# Altium PCB UZ_D_Encoder.PcbDoc (part 1 of 5) (continued)
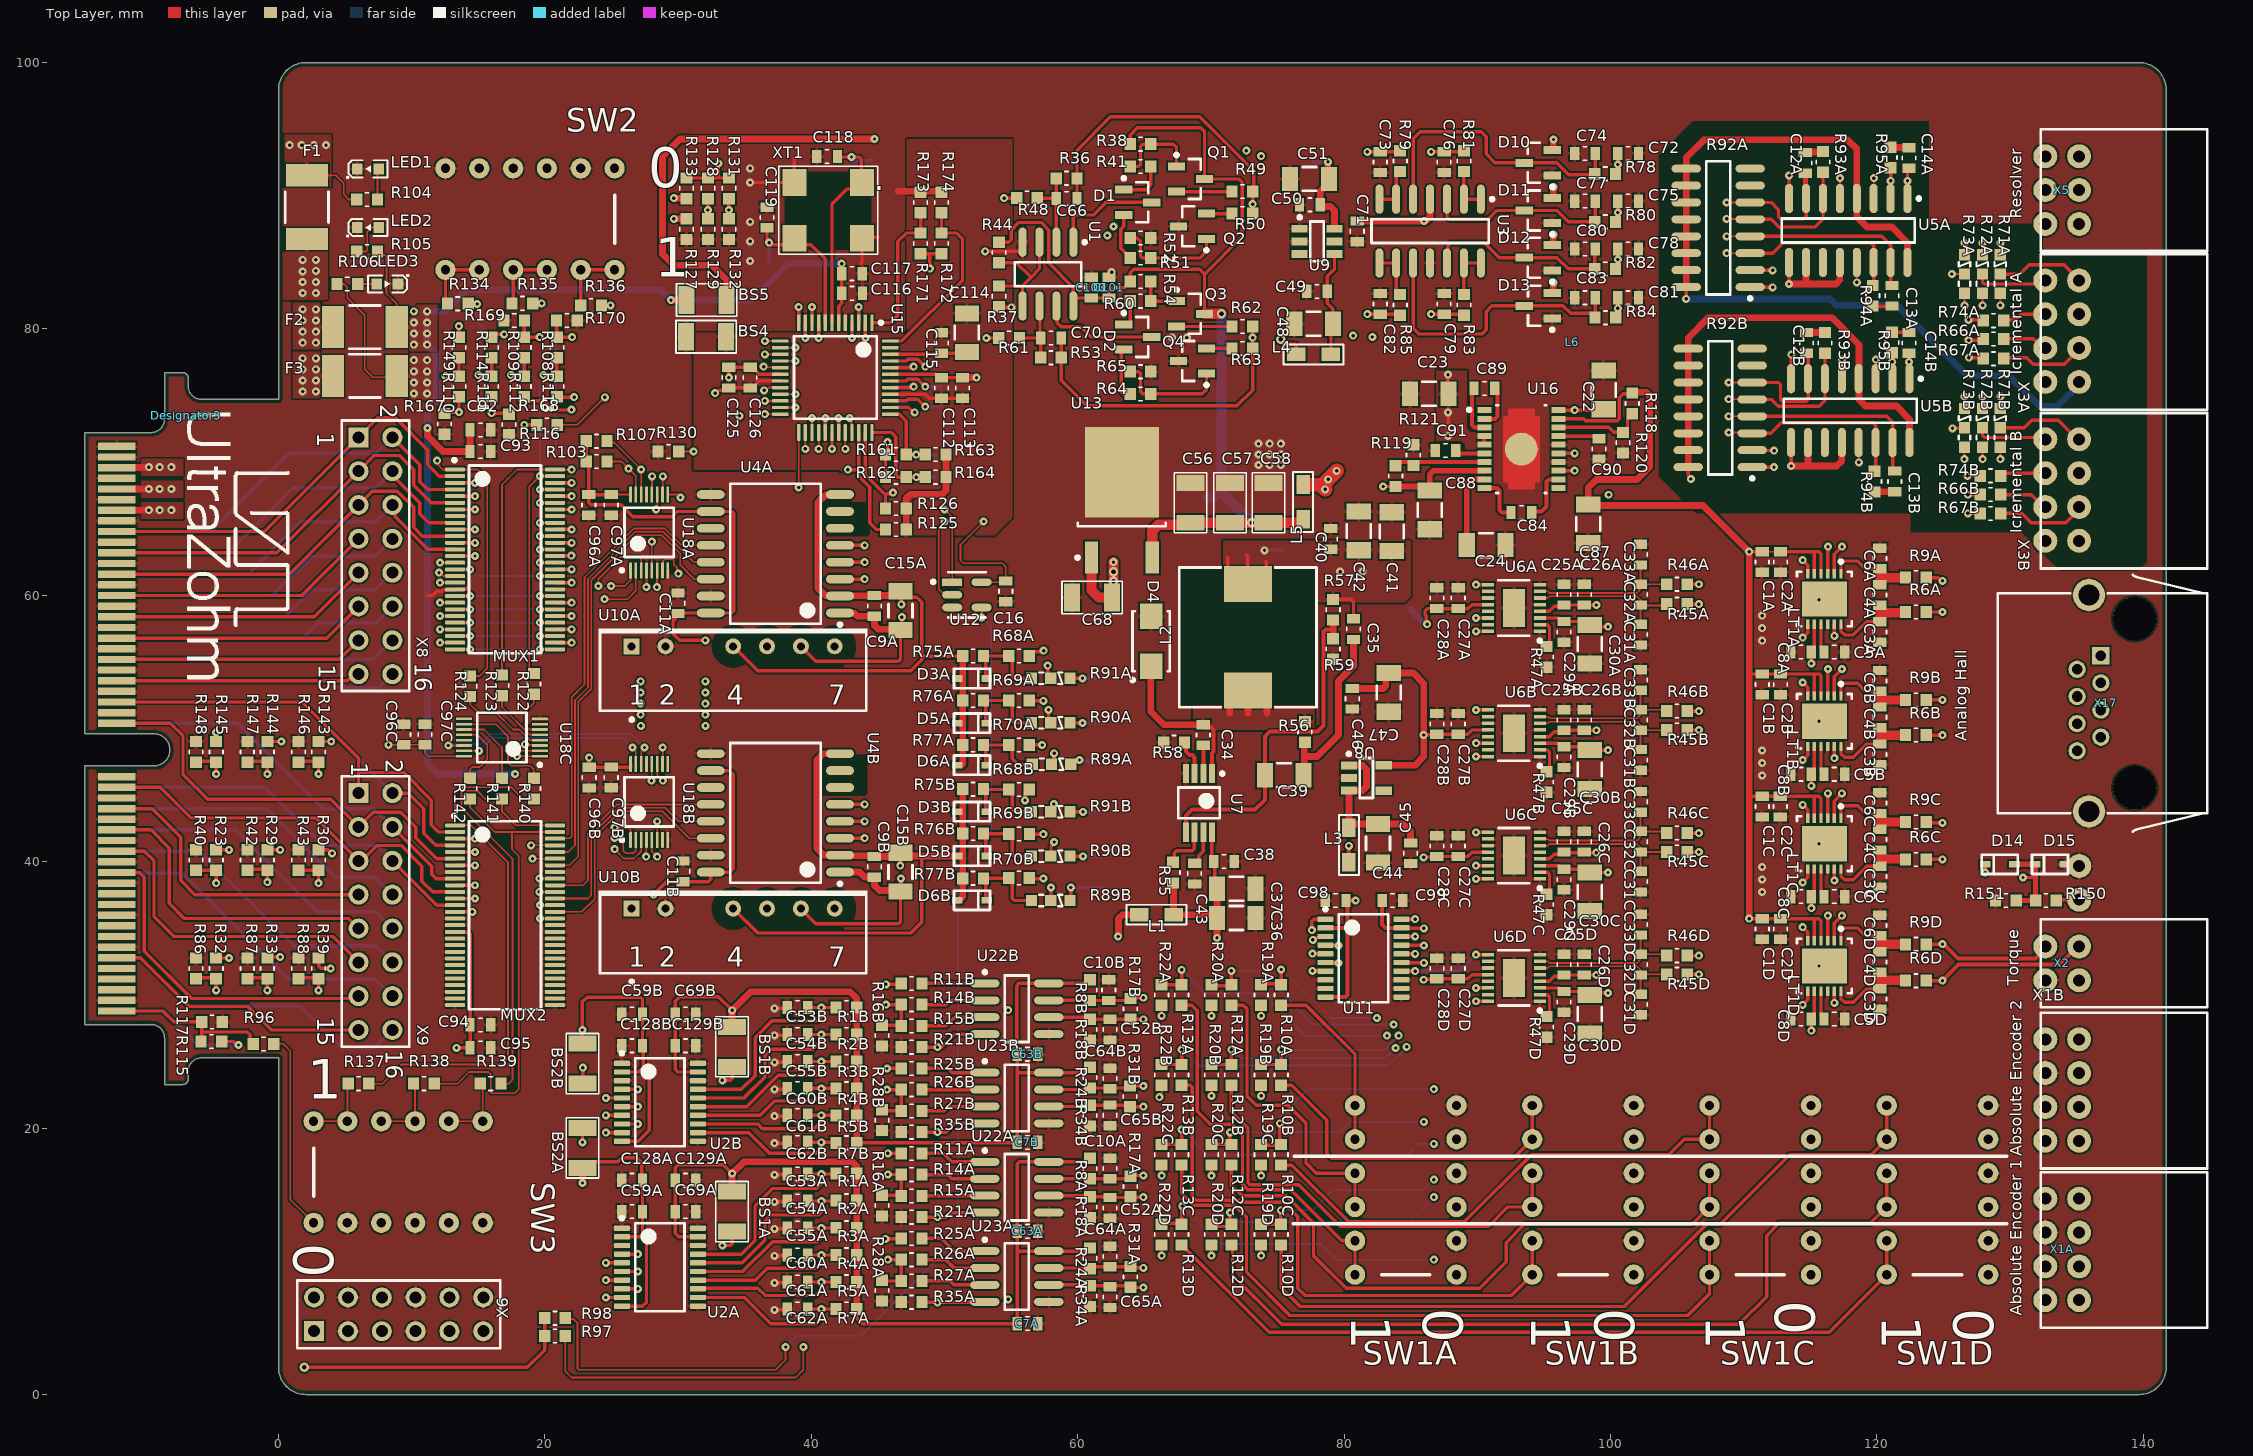
[diagram p0: Top Layer view]
## Classes and differential pairs (continued)
differential pair ADC1_IN1: +ADC_IN_PFA -ADC_IN_NFA

## Components (designator, comment, footprint, x,y, rotation, side; value= is the part's Value field where it differs from the comment)
BS1A "HI1206T500R-10" RES_1206 34.048,15.232 r180 top (schematic designator BS1)
BS1B "HI1206T500R-10" RES_1206 34.048,27.607 r180 top (schematic designator BS1)
BS2A "HI1206T500R-10" RES_1206 22.817,17.013 r0 top (schematic designator BS2)
BS2B "HI1206T500R-10" RES_1206 22.809,26.339 r180 top (schematic designator BS2)
BS4 "HI1206T500R-10" RES_1206 33.596,79.417 r90 top
BS5 "HI1206T500R-10" RES_1206 33.638,82.168 r90 top
C1A "1uF" CAPC1608X07N 111.387,62.509 r270 top (schematic designator C1)
C1B "1uF" CAPC1608X07N 111.387,53.323 r270 top (schematic designator C1)
C1C "1uF" CAPC1608X07N 111.387,44.137 r270 top (schematic designator C1)
C1D "1uF" CAPC1608X07N 111.387,34.951 r270 top (schematic designator C1)
C2A "100nF" CAPC1608X07N 112.76,62.509 r270 top (schematic designator C2)
C2B "100nF" CAPC1608X07N 112.76,53.323 r270 top (schematic designator C2)
C2C "100nF" CAPC1608X07N 112.743,44.137 r270 top (schematic designator C2)
C2D "100nF" CAPC1608X07N 112.76,34.951 r270 top (schematic designator C2)
C3A "680pF" CAPC1608X07N 120.215,57.253 r90 top (schematic designator C3)
C3B "680pF" CAPC1608X07N 120.215,48.067 r90 top (schematic designator C3)
C3C "680pF" CAPC1608X07N 120.215,38.881 r90 top (schematic designator C3)
C3D "680pF" CAPC1608X07N 120.215,29.695 r90 top (schematic designator C3)
C4A "470pF" CAPC1608X07N 120.215,60.033 r90 top (schematic designator C4)
C4B "470pF" CAPC1608X07N 120.215,50.846 r90 top (schematic designator C4)
C4C "470pF" CAPC1608X07N 120.215,41.66 r90 top (schematic designator C4)
C4D "470pF" CAPC1608X07N 120.215,32.474 r90 top (schematic designator C4)
C5A "180pF" CAPC1608X07N 116.8,55.753 r0 top (schematic designator C5)
C5B "180pF" CAPC1608X07N 116.8,46.567 r0 top (schematic designator C5)
C5C "180pF" CAPC1608X07N 116.8,37.381 r0 top (schematic designator C5)
C5D "180pF" CAPC1608X07N 116.8,28.195 r0 top (schematic designator C5)
C6A "680pF" CAPC1608X07N 120.215,62.772 r90 top (schematic designator C6)
C6B "680pF" CAPC1608X07N 120.215,53.586 r90 top (schematic designator C6)
C6C "680pF" CAPC1608X07N 120.215,44.4 r90 top (schematic designator C6)
C6D "680pF" CAPC1608X07N 120.215,35.214 r90 top (schematic designator C6)
C7A "100nF" CAPC1608X07N 56.224,5.324 r0 top (schematic designator C7)
C7B "100nF" CAPC1608X07N 56.224,18.93 r0 top (schematic designator C7)
C8A "100nF" CAPC1608X07N 114.3,55.753 r180 top (schematic designator C8)
C8B "100nF" CAPC1608X07N 114.3,46.567 r180 top (schematic designator C8)
C8C "100nF" CAPC1608X07N 114.3,37.381 r180 top (schematic designator C8)
C8D "100nF" CAPC1608X07N 114.3,28.195 r180 top (schematic designator C8)
C9A "100nF" CAPC1608X07N 44.733,59.21 r270 top (schematic designator C9)
C9B "100nF" CAPC1608X07N 44.733,39.622 r270 top (schematic designator C9)
C10A "1nF" CAPC1608X07N 62.424,16.972 r90 top (schematic designator C10)
C10B "1nF" CAPC1608X07N 62.33,30.359 r90 top (schematic designator C10)
C11A "100nF" CAPC1608X07N 29.987,59.407 r270 top (schematic designator C11)
C11B "100nF" CAPC1608X07N 30.363,39.285 r270 top (schematic designator C11)
C12A "10nF" CAPC1608X07N 114.611,92.474 r270 top (schematic designator C12)
C12B "10nF" CAPC1608X07N 114.713,78.956 r270 top (schematic designator C12)
C13A "10nF" CAPC1608X07N 121.137,82.494 r90 top (schematic designator C13)
C13B "10nF" CAPC1608X07N 121.342,68.558 r90 top (schematic designator C13)
C14A "10nF" CAPC1608X07N 122.407,92.833 r270 top (schematic designator C14)
C14B "10nF" CAPC1608X07N 122.407,78.956 r270 top (schematic designator C14)
C15A "10uF" C_1206 46.693,58.856 r90 top (schematic designator C15)
C15B "10uF" C_1206 46.693,39.225 r90 top (schematic designator C15)
C16 "100nF" CAPC1608X07N 54.597,60.306 r90 top
C22 "10uF" C_1206 99.484,75.42 r90 top
C23 "10uF" C_1206 86.384,75.129 r180 top
C24 "10uF" C_1206 90.659,63.772 r0 top
C25A "100nF" CAPC1608X07N 96.51,60.054 r90 top (schematic designator C25)
C25B "100nF" CAPC1608X07N 96.51,50.648 r90 top (schematic designator C25)
C25C "100nF" CAPC1608X07N 96.51,41.503 r90 top (schematic designator C25)
C25D "100nF" CAPC1608X07N 96.51,32.276 r90 top (schematic designator C25)
C26A "1uF" CAPC1608X07N 98.04,60.054 r270 top (schematic designator C26)
C26B "1uF" CAPC1608X07N 98.04,50.648 r270 top (schematic designator C26)
C26C "1uF" CAPC1608X07N 98.04,41.503 r270 top (schematic designator C26)
C26D "1uF" CAPC1608X07N 98.04,32.276 r270 top (schematic designator C26)
C27A "100nF" CAPC1608X07N 88.56,59.794 r90 top (schematic designator C27)
C27B "100nF" CAPC1608X07N 88.56,50.356 r90 top (schematic designator C27)
C27C "100nF" CAPC1608X07N 88.56,41.17 r90 top (schematic designator C27)
C27D "100nF" CAPC1608X07N 88.56,31.984 r90 top (schematic designator C27)
C28A "1uF" CAPC1608X07N 86.965,59.794 r270 top (schematic designator C28)
C28B "1uF" CAPC1608X07N 86.965,50.356 r270 top (schematic designator C28)
C28C "1uF" CAPC1608X07N 86.965,41.17 r270 top (schematic designator C28)
C28D "1uF" CAPC1608X07N 86.965,31.984 r270 top (schematic designator C28)
C29A "100nF" CAPC1608X07N 96.51,57.262 r270 top (schematic designator C29)
C29B "100nF" CAPC1608X07N 96.51,47.856 r270 top (schematic designator C29)
C29C "100nF" CAPC1608X07N 96.51,38.67 r270 top (schematic designator C29)
C29D "100nF" CAPC1608X07N 96.51,29.484 r270 top (schematic designator C29)
C30A "10uF" C_1206 98.45,56.332 r270 top (schematic designator C30)
C30B "10uF" C_1206 98.45,46.926 r270 top (schematic designator C30)
C30C "10uF" C_1206 98.45,37.74 r270 top (schematic designator C30)
C30D "10uF" C_1206 98.45,28.554 r270 top (schematic designator C30)
C31A "680pF" CAPC1608X07N 102.25,57.054 r90 top (schematic designator C31)
C31B "680pF" CAPC1608X07N 102.25,47.648 r90 top (schematic designator C31)
C31C "680pF" CAPC1608X07N 102.25,38.503 r90 top (schematic designator C31)
C31D "680pF" CAPC1608X07N 102.25,29.276 r90 top (schematic designator C31)
C32A "470pF" CAPC1608X07N 102.25,60.054 r90 top (schematic designator C32)
C32B "470pF" CAPC1608X07N 102.25,50.648 r90 top (schematic designator C32)
C32C "470pF" CAPC1608X07N 102.25,41.503 r90 top (schematic designator C32)
C32D "470pF" CAPC1608X07N 102.25,32.276 r90 top (schematic designator C32)
C33A "680pF" CAPC1608X07N 102.25,63.054 r90 top (schematic designator C33)
C33B "680pF" CAPC1608X07N 102.25,53.648 r90 top (schematic designator C33)
C33C "680pF" CAPC1608X07N 102.25,44.503 r90 top (schematic designator C33)
C33D "680pF" CAPC1608X07N 102.25,35.276 r90 top (schematic designator C33)
C34 "10nF" CAPC1608X07N 69.425,49.512 r90 top
C35 "7.5nF" CAPC1608X07N 80.7,57.461 r270 top
C36 "10uF" C_1206 71.905,35.78 r0 top
C37 "10uF" C_1206 71.905,37.98 r0 top
C38 "100nF" CAPC1608X07N 70.975,40.012 r0 top
C39 "0.027uF" C_1206 75.5,46.495 r180 top
C40 "100nF" CAPC1608X07N 78.985,64.24 r270 top
C41 "47uF" C_1206 83.575,64.79 r90 top
C42 "47uF" C_1206 81.1,64.84 r90 top
C43 "1uF" CAPC1608X07N 68.775,39.105 r90 top
C44 "10uF" C_1206 82.542,41.384 r270 top
C45 "100nF" CAPC1608X07N 84.992,40.637 r270 top
C46 "100nF" CAPC1608X07N 80.617,52.237 r270 top
C47 "47uF" C_1206 83.342,52.712 r270 top
C48 "10uF" C_1206 77.708,80.385 r180 top
C49 "100nF" CAPC1608X07N 77.965,82.825 r180 top
C50 "100nF" CAPC1608X07N 77.425,89.326 r180 top
C51 "47uF" C_1206 77.4,91.268 r180 top
C52A "1nF" CAPC1608X07N 62.424,14.01 r270 top (schematic designator C52)
C52B "1nF" CAPC1608X07N 62.424,27.395 r270 top (schematic designator C52)
C53A "1nF" CAPC1608X07N 38.956,16.552 r180 top (schematic designator C53)
C53B "1nF" CAPC1608X07N 38.956,29.057 r180 top (schematic designator C53)
C54A "1nF" CAPC1608X07N 38.956,14.526 r180 top (schematic designator C54)
C54B "1nF" CAPC1608X07N 38.956,27.031 r180 top (schematic designator C54)
C55A "1nF" CAPC1608X07N 38.956,12.501 r180 top (schematic designator C55)
C55B "1nF" CAPC1608X07N 38.956,25.006 r180 top (schematic designator C55)
C56 "1uF" RES_1206 68.472,65.453 r0 top
C57 "1uF" RES_1206 71.422,65.453 r0 top
C58 "1uF" RES_1206 74.316,65.453 r0 top
C59A "100nF" CAPC1608X07N 26.548,13.732 r180 top (schematic designator C59)
C59B "100nF" CAPC1608X07N 26.548,28.557 r180 top (schematic designator C59)
C60A "1nF" CAPC1608X07N 38.956,10.475 r180 top (schematic designator C60)
C60B "1nF" CAPC1608X07N 38.956,22.981 r180 top (schematic designator C60)
C61A "1nF" CAPC1608X07N 38.956,8.45 r180 top (schematic designator C61)
C61B "1nF" CAPC1608X07N 38.956,20.955 r180 top (schematic designator C61)
C62A "1nF" CAPC1608X07N 38.956,6.425 r180 top (schematic designator C62)
C62B "1nF" CAPC1608X07N 38.956,18.93 r180 top (schematic designator C62)
C63A "100nF" CAPC1608X07N 56.224,12.25 r0 top (schematic designator C63)
C63B "100nF" CAPC1608X07N 56.224,25.542 r0 top (schematic designator C63)
C64A "1nF" CAPC1608X07N 62.424,10.355 r90 top (schematic designator C64)
C64B "1nF" CAPC1608X07N 62.424,23.731 r90 top (schematic designator C64)
C65A "1nF" CAPC1608X07N 62.424,7.307 r270 top (schematic designator C65)
C65B "1nF" CAPC1608X07N 62.424,20.965 r270 top (schematic designator C65)
C66 "120pF" CAPC1608X07N 59.163,89.803 r0 top
C68 "1uF" RES_1206 62.584,59.83 r90 top
C69A "100nF" CAPC1608X07N 30.548,13.732 r0 top (schematic designator C69)
C69B "100nF" CAPC1608X07N 30.548,28.557 r0 top (schematic designator C69)
C70 "120pF" CAPC1608X07N 57.985,79.324 r0 top
C71 "100nF" CAPC1608X07N 80.977,87.336 r270 top
C72 "100pF" CAPC1608X07N 101.32,93.174 r0 top
C73 "1nF" CAPC1608X07N 82.709,92.527 r270 top
C74 "1nF" CAPC1608X07N 98.08,93.174 r180 top
C75 "100pF" CAPC1608X07N 101.32,89.6 r0 top
C76 "1nF" CAPC1608X07N 87.506,92.527 r270 top
C77 "1nF" CAPC1608X07N 98.08,89.6 r180 top
C78 "100pF" CAPC1608X07N 101.327,86.011 r0 top
C79 "1nF" CAPC1608X07N 87.506,81.885 r90 top
C80 "1nF" CAPC1608X07N 98.087,86.011 r180 top
C81 "100pF" CAPC1608X07N 101.327,82.35 r0 top
C82 "1nF" CAPC1608X07N 82.709,81.885 r90 top
C83 "1nF" CAPC1608X07N 98.087,82.35 r180 top
C84 "1uF" CAPC1608X07N 93.307,66.225 r180 top
C87 "10uF" C_1206 98.324,65.372 r270 top
C88 "10uF" C_1206 86.423,66.411 r270 top
C89 "1uF" CAPC1608X07N 90.532,75.539 r0 top
C90 "100nF" CAPC1608X07N 99.134,70.994 r270 top
C91 "100nF" CAPC1608X07N 87.608,70.875 r180 top
C92 "100nF" CAPC1608X07N 15.15,72.425 r0 top
C93 "100nF" CAPC1608X07N 15.15,70.8 r0 top
C94 "100nF" CAPC1608X07N 15.15,27.75 r0 top
C95 "100nF" CAPC1608X07N 15.15,26.025 r0 top
C96A "100nF" CAPC1608X07N 23.287,66.792 r270 top (schematic designator C96)
C96B "100nF" CAPC1608X07N 23.317,46.315 r270 top (schematic designator C96)
C96C "100nF" CAPC1608X07N 9.387,49.551 r90 top (schematic designator C96)
C97A "100nF" CAPC1608X07N 24.967,66.792 r270 top (schematic designator C97)
C97B "100nF" CAPC1608X07N 24.967,46.34 r270 top (schematic designator C97)
C97C "100nF" CAPC1608X07N 10.987,49.551 r90 top (schematic designator C97)
C98 "100nF" CAPC1608X07N 79.36,37.091 r180 top
C99 "100nF" CAPC1608X07N 83.629,37.091 r0 top
C100 "100nF" CAPC1608X07N 61.025,83.106 r90 top
C101 "100nF" CAPC1608X07N 62.35,83.106 r90 top
C112 "10nF" CAPC1608X07N 49.775,75.575 r270 top
C113 "4.7uF" CAPC1608X07N 51.351,75.575 r270 top
C114 "10uF" C_1206 51.675,79.725 r270 top
C115 "10nF" CAPC1608X07N 49.775,78.95 r90 top
C116 "4.7uF" CAPC1608X07N 43.065,82.676 r180 top
C117 "10nF" CAPC1608X07N 43.05,84.154 r180 top
C118 "20pF" CAPC1608X07N 41.188,92.952 r180 top
C119 "20pF" CAPC1608X07N 36.667,88.375 r90 top
C125 "10nF" CAPC1608X07N 33.808,76.35 r90 top
C126 "4.7uF" CAPC1608X07N 35.4,76.35 r90 top
C128A "100nF" CAPC1608X07N 26.548,16.082 r180 top (schematic designator C128)
C128B "100nF" CAPC1608X07N 26.548,26.182 r180 top (schematic designator C128)
C129A "100nF" CAPC1608X07N 30.548,16.082 r0 top (schematic designator C129)
C129B "100nF" CAPC1608X07N 30.548,26.182 r0 top (schematic designator C129)
D1 "BAV99,235" SOT-23 64.581,89.503 r0 top
D2 "BAV99,235" SOT-23 64.581,79.39 r0 top
D3A "CDSOD323-T03C" SOD-323 52.057,53.757 r180 top (schematic designator D3)
D3B "CDSOD323-T03C" SOD-323 52.057,43.766 r180 top (schematic designator D3)
D4 "BYS12-90" DIOM4227X23N 65.535,56.52 r90 top
D5A "CDSOD323-T03C" SOD-323 52.057,50.404 r180 top (schematic designator D5)
D5B "CDSOD323-T03C" SOD-323 52.057,40.429 r180 top (schematic designator D5)
D6A "CDSOD323-T03C" SOD-323 52.057,47.249 r180 top (schematic designator D6)
D6B "CDSOD323-T03C" SOD-323 52.057,37.1 r180 top (schematic designator D6)
D10 "SBAS70-04LT1G" SOT-23 94.5,92.484 r180 top
D11 "SBAS70-04LT1G" SOT-23 94.5,88.91 r180 top
D12 "SBAS70-04LT1G" SOT-23 94.5,85.361 r180 top
D13 "SBAS70-04LT1G" SOT-23 94.507,81.75 r180 top
D14 "CDSOD323-T03C" SOD-323 129.23,39.804 r0 top
D15 "CDSOD323-T03C" SOD-323 133.002,39.804 r0 top
Designator3 "Comment" UZ_Logo_tiny -6.934,73.503 r270 top
F1 "PTC, 1.1A, 24V" 1812_PTC_Polyfuse_Littelfuse 2.125,89.146 r90 top
F2 "PTC, 1.1A, 24V" 1812_PTC_Polyfuse_Littelfuse 6.475,80.148 r0 top
F3 "PTC, 1.1A, 24V" 1812_PTC_Polyfuse_Littelfuse 6.475,76.477 r0 top
L1 "600Ω" "WE-CBF_0805_High Current" 65.921,36.021 r0 top
L2 "150mH" SMT_inductor_1050_Performance 72.775,56.845 r180 top
L3 "600Ω" "WE-CBF_0805_High Current" 80.357,41.252 r90 top
L4 "600Ω" "WE-CBF_0805_High Current" 77.708,78.093 r0 top
L5 "600Ω" "WE-CBF_0805_High Current" 76.923,67.022 r90 top
L6 "label" revisioninfo 97.137,79.009 r180 top
LED1 "150060BS75000" WL-SMCW_0603 6.706,92.015 r0 top
LED2 "150060RS75000" WL-SMCW_0603 6.706,87.617 r0 top
LED3 "150060GS75000" WL-SMCW_0603 8.168,83.38 r180 top
LT1A "LTC6373IDFM#PBF" FP-LTC6373IDFM#PBF-MFG 116.05,59.733 r270 top (schematic designator LT1)
LT1B "LTC6373IDFM#PBF" FP-LTC6373IDFM#PBF-MFG 116.05,50.546 r270 top (schematic designator LT1)
LT1C "LTC6373IDFM#PBF" FP-LTC6373IDFM#PBF-MFG 116.05,41.36 r270 top (schematic designator LT1)
LT1D "LTC6373IDFM#PBF" FP-LTC6373IDFM#PBF-MFG 116.05,32.174 r270 top (schematic designator LT1)
MUX1 "SN74CBT16214CDGG" TSSOP50P810X120-56N 17,62.7 r0 top
MUX2 "SN74CBT16214CDGG" TSSOP50P810X120-56N 17,35.985 r0 top
Q1 "BC846BLT3G" SOT-23 68.538,91.253 r0 top
Q2 "BC856B,215" SOT-23 68.543,87.723 r180 top
Q3 "BC846BLT3G" SOT-23 68.538,81.13 r0 top
Q4 "BC856B,215" SOT-23 68.543,77.603 r180 top
R1A "1k" RESC1608X06N 42.626,16.582 r0 top (schematic designator R1)
R1B "1k" RESC1608X06N 42.626,29.054 r0 top (schematic designator R1)
R2A "1k" RESC1608X06N 42.626,14.551 r0 top (schematic designator R2)
R2B "1k" RESC1608X06N 42.626,27.023 r0 top (schematic designator R2)
R3A "1k" RESC1608X06N 42.626,12.52 r0 top (schematic designator R3)
R3B "1k" RESC1608X06N 42.626,24.992 r0 top (schematic designator R3)
R4A "1k" RESC1608X06N 42.626,10.489 r0 top (schematic designator R4)
R4B "1k" RESC1608X06N 42.626,22.961 r0 top (schematic designator R4)
R5A "1k" RESC1608X06N 42.626,8.458 r0 top (schematic designator R5)
R5B "1k" RESC1608X06N 42.626,20.931 r0 top (schematic designator R5)
R6A "24R9" RESC1608X06N 122.928,58.753 r180 top (schematic designator R6)
R6B "24R9" RESC1608X06N 122.928,49.507 r180 top (schematic designator R6)
R6C "24R9" RESC1608X06N 122.928,40.177 r180 top (schematic designator R6)
R6D "24R9" RESC1608X06N 122.928,31.067 r180 top (schematic designator R6)
R7A "1k" RESC1608X06N 42.626,6.428 r0 top (schematic designator R7)
R7B "1k" RESC1608X06N 42.626,18.9 r0 top (schematic designator R7)
R8A "1k" RESC1608X06N 60.924,16.966 r90 top (schematic designator R8)
R8B "1k" RESC1608X06N 60.924,30.359 r90 top (schematic designator R8)
R9A "24R9" RESC1608X06N 122.928,61.332 r180 top (schematic designator R9)
R9B "24R9" RESC1608X06N 122.928,52.152 r180 top (schematic designator R9)
R9C "24R9" RESC1608X06N 122.928,42.987 r180 top (schematic designator R9)
R9D "24R9" RESC1608X06N 122.928,33.8 r180 top (schematic designator R9)
R10A "10k" RESC1608X06N 75.274,30 r90 top (schematic designator R10)
R10B "10k" RESC1608X06N 75.274,24 r90 top (schematic designator R10)
R10C "10k" RESC1608X06N 75.274,18 r90 top (schematic designator R10)
R10D "10k" RESC1608X06N 75.274,12 r90 top (schematic designator R10)
R11A "0R" RESC1608X06N 47.525,18.102 r0 top (schematic designator R11)
R11B "0R" RESC1608X06N 47.525,30.867 r0 top (schematic designator R11)
R12A "10k" RESC1608X06N 71.537,30 r90 top (schematic designator R12)
R12B "10k" RESC1608X06N 71.537,24 r90 top (schematic designator R12)
R12C "10k" RESC1608X06N 71.537,18 r90 top (schematic designator R12)
R12D "10k" RESC1608X06N 71.537,12 r90 top (schematic designator R12)
R13A "10k" RESC1608X06N 67.8,30 r90 top (schematic designator R13)
R13B "10k" RESC1608X06N 67.8,24 r90 top (schematic designator R13)
R13C "10k" RESC1608X06N 67.8,18 r90 top (schematic designator R13)
R13D "10k" RESC1608X06N 67.8,12 r90 top (schematic designator R13)
R14A "0R" RESC1608X06N 47.525,16.506 r0 top (schematic designator R14)
R14B "0R" RESC1608X06N 47.525,29.271 r0 top (schematic designator R14)
R15A "0R" RESC1608X06N 47.525,14.91 r0 top (schematic designator R15)
R15B "0R" RESC1608X06N 47.525,27.675 r0 top (schematic designator R15)
R16A "10k" RESC1608X06N 45.313,14.18 r90 top (schematic designator R16)
R16B "10k" RESC1608X06N 45.313,26.945 r90 top (schematic designator R16)
R17A "120" RESC1608X06N 63.949,15.612 r270 top (schematic designator R17)
R17B "120" RESC1608X06N 63.949,28.958 r270 top (schematic designator R17)
R18A "1k" RESC1608X06N 60.924,14.062 r90 top (schematic designator R18)
R18B "1k" RESC1608X06N 60.924,27.395 r90 top (schematic designator R18)
R19A "DNP" RESC1608X06N 73.774,30 r90 top (schematic designator R19)
R19B "DNP" RESC1608X06N 73.774,24 r90 top (schematic designator R19)
R19C "DNP" RESC1608X06N 73.774,18 r90 top (schematic designator R19)
R19D "DNP" RESC1608X06N 73.774,12 r90 top (schematic designator R19)
R20A "DNP" RESC1608X06N 70.037,30 r90 top (schematic designator R20)
R20B "DNP" RESC1608X06N 70.037,24 r90 top (schematic designator R20)
R20C "DNP" RESC1608X06N 70.037,18 r90 top (schematic designator R20)
R20D "DNP" RESC1608X06N 70.037,12 r90 top (schematic designator R20)
R21A "10k" RESC1608X06N 47.525,13.315 r0 top (schematic designator R21)
R21B "10k" RESC1608X06N 47.525,26.08 r0 top (schematic designator R21)
R22A "DNP" RESC1608X06N 66.3,30 r90 top (schematic designator R22)
R22B "DNP" RESC1608X06N 66.3,24 r90 top (schematic designator R22)
R22C "DNP" RESC1608X06N 66.3,18 r90 top (schematic designator R22)
R22D "DNP" RESC1608X06N 66.3,12 r90 top (schematic designator R22)
R23 "DNP" RESC1608X06N -4.688,40.125 r90 top
R24A "1k" RESC1608X06N 60.924,10.228 r90 top (schematic designator R24)
R24B "1k" RESC1608X06N 60.924,23.785 r90 top (schematic designator R24)
R25A "0R" RESC1608X06N 47.525,11.719 r0 top (schematic designator R25)
R25B "0R" RESC1608X06N 47.525,24.484 r0 top (schematic designator R25)
R26A "0R" RESC1608X06N 47.525,10.123 r0 top (schematic designator R26)
R26B "0R" RESC1608X06N 47.525,22.889 r0 top (schematic designator R26)
R27A "0R" RESC1608X06N 47.525,8.528 r0 top (schematic designator R27)
R27B "0R" RESC1608X06N 47.525,21.293 r0 top (schematic designator R27)
R28A "10k" RESC1608X06N 45.313,7.798 r90 top (schematic designator R28)
R28B "10k" RESC1608X06N 45.313,20.593 r90 top (schematic designator R28)
R29 "DNP" RESC1608X06N -0.85,40.125 r90 top
R30 "DNP" RESC1608X06N 3,40.125 r90 top
R31A "120" RESC1608X06N 63.949,8.832 r270 top (schematic designator R31)
R31B "120" RESC1608X06N 63.924,22.389 r270 top (schematic designator R31)
R32 "10k" RESC1608X06N -4.688,32 r270 top
R33 "DNP" RESC1608X06N -0.85,32 r270 top
R34A "1k" RESC1608X06N 60.924,7.382 r90 top (schematic designator R34)
R34B "1k" RESC1608X06N 60.924,20.933 r90 top (schematic designator R34)
R35A "10k" RESC1608X06N 47.525,6.932 r0 top (schematic designator R35)
R35B "10k" RESC1608X06N 47.525,19.697 r0 top (schematic designator R35)
R36 "15.4k" RESC1608X06N 59.17,91.313 r0 top
R37 "22k" RESC1608X06N 54.077,85.745 r90 top
R38 "2.2k" RESC1608X06N 64.713,93.878 r180 top
R39 "10k" RESC1608X06N 3,32 r270 top
R40 "10k" RESC1608X06N -6.206,40.125 r270 top
R41 "3.3" RESC1608X06N 64.713,92.203 r180 top
R42 "10k" RESC1608X06N -2.35,40.125 r270 top
R43 "10k" RESC1608X06N 1.5,40.125 r270 top
R44 "10k" RESC1608X06N 54.077,82.456 r90 top
R45A "24R9" RESC1608X06N 104.987,59.335 r180 top (schematic designator R45)
R45B "24R9" RESC1608X06N 104.987,49.898 r180 top (schematic designator R45)
R45C "24R9" RESC1608X06N 104.987,40.728 r180 top (schematic designator R45)
R45D "24R9" RESC1608X06N 104.987,31.549 r180 top (schematic designator R45)
R46A "24R9" RESC1608X06N 104.987,60.835 r180 top (schematic designator R46)
R46B "24R9" RESC1608X06N 104.987,51.308 r180 top (schematic designator R46)
R46C "24R9" RESC1608X06N 104.987,42.15 r180 top (schematic designator R46)
R46D "24R9" RESC1608X06N 104.987,32.949 r180 top (schematic designator R46)
R47A "0R" RESC1608X06N 95.195,55.388 r90 top (schematic designator R47)
R47B "0R" RESC1608X06N 95.195,45.985 r90 top (schematic designator R47)
R47C "0R" RESC1608X06N 95.195,36.785 r90 top (schematic designator R47)
R47D "0R" RESC1608X06N 95.195,27.6 r90 top (schematic designator R47)
R48 "10k" RESC1608X06N 56.188,89.828 r180 top
R49 "4.7" RESC1608X06N 72.356,90.313 r0 top
R50 "4.7" RESC1608X06N 72.356,88.673 r180 top
R51 "3.3" RESC1608X06N 64.713,85.328 r0 top
R52 "2.2k" RESC1608X06N 64.713,86.828 r0 top
R53 "15.4k" RESC1608X06N 57.985,77.843 r0 top
R54 "2.2k" RESC1608X06N 64.713,83.563 r180 top
R55 "162k" RESC1608X06N 67.162,39.18 r90 top
R56 "75k" RESC1608X06N 77.05,49.745 r270 top
R57 "1k" RESC1608X06N 79.175,58.92 r90 top
R58 "133k" RESC1608X06N 67.237,48.97 r0 top
R59 "1k" RESC1608X06N 79.175,55.97 r90 top
R60 "3.3" RESC1608X06N 64.713,82.09 r0 top
R61 "10k" RESC1608X06N 54.852,79.324 r180 top
R62 "4.7" RESC1608X06N 72.356,80.19 r0 top
R63 "4.7" RESC1608X06N 72.356,78.543 r180 top
R64 "3.3" RESC1608X06N 64.713,75.128 r0 top
R65 "2.2k" RESC1608X06N 64.713,76.793 r0 top
R66A "0R" RESC1608X06N 128.758,79.243 r180 top (schematic designator R66)
R66B "0R" RESC1608X06N 128.535,67.583 r180 top (schematic designator R66)
R67A "0R" RESC1608X06N 128.758,77.768 r180 top (schematic designator R67)
R67B "0R" RESC1608X06N 128.535,66.155 r180 top (schematic designator R67)
R68A "3.5k" RESC1608X06N 55.59,55.441 r180 top (schematic designator R68)
R68B "3.5k" RESC1608X06N 55.59,45.43 r180 top (schematic designator R68)
R69A "3.5k" RESC1608X06N 55.59,52.104 r180 top (schematic designator R69)
R69B "3.5k" RESC1608X06N 55.597,42.093 r180 top (schematic designator R69)
R70A "3.5k" RESC1608X06N 55.59,48.767 r180 top (schematic designator R70)
R70B "3.5k" RESC1608X06N 55.59,38.78 r180 top (schematic designator R70)
R71A "dnp" 0603_Config 129.272,84.15 r90 top value=0R (schematic designator R71)
R71B "dnp" 0603_Config 129.272,72.604 r90 top value=0R (schematic designator R71)
R72A "dnp" 0603_Config 127.925,84.15 r90 top value=0R (schematic designator R72)
R72B "dnp" 0603_Config 127.925,72.604 r90 top value=0R (schematic designator R72)
R73A "dnp" 0603_Config 126.578,84.15 r90 top value=0R (schematic designator R73)
R73B "dnp" 0603_Config 126.578,72.604 r90 top value=0R (schematic designator R73)
R74A "0R" RESC1608X06N 128.758,80.625 r0 top (schematic designator R74)
R74B "0R" RESC1608X06N 128.535,68.977 r0 top (schematic designator R74)
R75A "3.5k" RESC1608X06N 52.148,55.441 r180 top (schematic designator R75)
R75B "3.5k" RESC1608X06N 52.148,45.445 r180 top (schematic designator R75)
R76A "3.5k" RESC1608X06N 52.148,52.109 r180 top (schematic designator R76)
R76B "3.5k" RESC1608X06N 52.148,42.112 r180 top (schematic designator R76)
R77A "3.5k" RESC1608X06N 52.148,48.777 r180 top (schematic designator R77)
R77B "3.5k" RESC1608X06N 52.148,38.756 r180 top (schematic designator R77)
R78 "100" RESC1608X06N 99.603,91.651 r180 top
R79 "4.7k" RESC1608X06N 84.21,92.602 r90 top
R80 "100" RESC1608X06N 99.603,88.051 r180 top
R81 "4.7k" RESC1608X06N 88.99,92.602 r90 top
R82 "100" RESC1608X06N 99.603,84.511 r180 top
R83 "4.7k" RESC1608X06N 88.99,81.81 r270 top
R84 "100" RESC1608X06N 99.61,80.85 r180 top
R85 "4.7k" RESC1608X06N 84.21,81.81 r270 top
R86 "dnp" RESC1608X06N -6.206,32 r90 top value=DNP
R87 "10k" RESC1608X06N -2.35,32 r90 top
R88 "dnp" RESC1608X06N 1.5,32 r90 top value=DNP
R89A "dnp" 0603_Config 58.052,47.311 r0 top value=0R (schematic designator R89)
R89B "dnp" 0603_Config 58,37.091 r0 top value=0R (schematic designator R89)
R90A "dnp" 0603_Config 58,50.439 r0 top value=0R (schematic designator R90)
R90B "dnp" 0603_Config 58,40.428 r0 top value=0R (schematic designator R90)
R91A "dnp" 0603_Config 58,53.776 r0 top value=0R (schematic designator R91)
R91B "dnp" 0603_Config 58,43.765 r0 top value=0R (schematic designator R91)
R92A "VISHAY  VSOR 47.K" SO-16_N 108.086,87.595 r180 top value=4.7K (schematic designator R92)
R92B "VISHAY  VSOR 47.K" SO-16_N 108.237,74.076 r180 top value=4.7K (schematic designator R92)
R93A "120R" RESC1608X06N 115.955,92.547 r90 top (schematic designator R93)
R93B "120R" RESC1608X06N 116.107,78.956 r90 top (schematic designator R93)
R94A "120R" RESC1608X06N 119.689,82.494 r270 top (schematic designator R94)
R94B "120R" RESC1608X06N 119.832,68.533 r270 top (schematic designator R94)
R95A "120R" RESC1608X06N 121.008,92.874 r90 top (schematic designator R95)
R95B "120R" RESC1608X06N 121.123,78.99 r90 top (schematic designator R95)
R96 "DNP" RESC1608X06N -1.132,26.324 r0 top
R97 "DNP" RESC1608X06N 20.75,4.401 r180 top
R98 "DNP" RESC1608X06N 20.75,5.728 r0 top
R103 "DNP" RESC1608X06N 23.875,70.058 r0 top
R104 "24.9k" RESC1608X06N 6.645,89.715 r180 top
R105 "3.01k" RESC1608X06N 6.645,85.819 r0 top
R106 "1.3k" RESC1608X06N 5.156,83.38 r180 top
R107 "DNP" RESC1608X06N 23.875,71.575 r180 top
R108 "DNP" RESC1608X06N 20.892,78.615 r90 top
R109 "DNP" RESC1608X06N 18.443,78.615 r90 top
R110 "DNP" RESC1608X06N 13.545,75.686 r270 top
R111 "DNP" RESC1608X06N 15.994,75.686 r270 top
R112 "0" RESC1608X06N 18.443,75.686 r270 top
R113 "0" RESC1608X06N 20.892,75.686 r270 top
R114 "0" RESC1608X06N 15.994,78.615 r90 top
R115 "0R" RESC1608X06N -5.048,26.5 r0 top
R116 "0" RESC1608X06N 20.145,72.8 r0 top
R117 "DNP" RESC1608X06N -4.998,27.975 r180 top
R118 "604k" RESC1608X06N 101.632,74.42 r90 top
R119 "604k" RESC1608X06N 83.867,68.949 r270 top
R120 "52k3" RESC1608X06N 100.932,71.459 r90 top
R121 "52k3" RESC1608X06N 85.196,70.525 r270 top
R122 "DNP" RESC1608X06N 19.158,53.357 r90 top
R123 "DNP" RESC1608X06N 16.766,53.248 r90 top
R124 "DNP" RESC1608X06N 14.375,53.176 r90 top
R125 "10k" RESC1608X06N 46.343,64.95 r180 top
R126 "10k" RESC1608X06N 46.343,66.527 r180 top
R127 "15k" RESC1608X06N 30.621,87.49 r270 top
R128 "10k" RESC1608X06N 32.231,90.565 r90 top
R129 "10k" RESC1608X06N 32.231,87.49 r90 top
R130 "7.5k" RESC1608X06N 29.265,70.799 r180 top
R131 "10k" RESC1608X06N 33.808,90.565 r90 top
R132 "10k" RESC1608X06N 33.808,87.49 r90 top
R133 "15k" RESC1608X06N 30.621,90.565 r90 top
R134 "10k" RESC1608X06N 13.452,81.898 r0 top
R135 "10k" RESC1608X06N 18.304,81.926 r0 top
R136 "10k" RESC1608X06N 23.468,81.773 r0 top
R137 "10k" RESC1608X06N 6,23.339 r0 top
R138 "10k" RESC1608X06N 10.905,23.339 r0 top
R139 "10k" RESC1608X06N 15.925,23.339 r0 top
R140 "DNP" RESC1608X06N 19.158,45.49 r270 top
R141 "DNP" RESC1608X06N 16.766,45.49 r270 top
R142 "DNP" RESC1608X06N 14.375,45.49 r270 top
R143 "10k" RESC1608X06N 3,48.25 r270 top
R144 "10k" RESC1608X06N -0.85,48.25 r270 top
R145 "10k" RESC1608X06N -4.688,48.25 r270 top
R146 "DNP" RESC1608X06N 1.5,48.25 r90 top
R147 "DNP" RESC1608X06N -2.35,48.25 r90 top
R148 "DNP" RESC1608X06N -6.206,48.25 r90 top
R149 "0" RESC1608X06N 13.545,78.615 r90 top value=DNP
R150 "DNP" RESC1608X06N 132.691,37.084 r180 top
R151 "DNP" RESC1608X06N 129.68,37.084 r180 top
R161 "10k" RESC1608X06N 46.343,70.567 r180 top
R162 "10k" RESC1608X06N 46.343,68.875 r180 top
R163 "10k" RESC1608X06N 49.335,70.567 r180 top
R164 "10k" RESC1608X06N 49.335,68.875 r180 top
R167 "10k" RESC1608X06N 12.45,72.875 r90 top
R168 "10k" RESC1608X06N 17.3,72.825 r90 top
R169 "10k" RESC1608X06N 17.693,80.638 r0 top
R170 "10k" RESC1608X06N 21.642,80.638 r180 top
R171 "10k" RESC1608X06N 48.2,86.428 r270 top
R172 "10k" RESC1608X06N 49.775,86.428 r270 top
R173 "10k" RESC1608X06N 48.2,89.503 r270 top
R174 "10k" RESC1608X06N 49.775,89.503 r270 top
Serial "Serialnumber 6,3 x 6.3mm" Serial_6.3x6.3mm 128.167,93.012 r180 bottom
SW1A "206-126" 206-123 84.629,15.35 r90 top (schematic designator SW1)
SW1B "206-126" 206-123 97.936,15.35 r90 top (schematic designator SW1)
SW1C "206-126" 206-123 111.243,15.35 r90 top (schematic designator SW1)
SW1D "206-126" 206-123 124.55,15.35 r90 top (schematic designator SW1)
SW2 "206-126" 206-123 18.875,88.246 r180 top
SW3 "206-126" 206-123 8.975,16.7 r0 top
TP1A "VCC" TP_1mm 61.992,47.325 r90 bottom value="Testpoint 1mm" (schematic designator TP1)
TP1B "VCC" TP_1mm 61.992,38.063 r180 bottom value="Testpoint 1mm" (schematic designator TP1)
TP2A "VCC" TP_1mm 61.992,50.42 r90 bottom value="Testpoint 1mm" (schematic designator TP2)
TP2B "VCC" TP_1mm 61.992,40.409 r90 bottom value="Testpoint 1mm" (schematic designator TP2)
TP3A "VCC" TP_1mm 61.992,53.775 r90 bottom value="Testpoint 1mm" (schematic designator TP3)
TP3B "VCC" TP_1mm 61.992,43.746 r90 bottom value="Testpoint 1mm" (schematic designator TP3)
TP7 "VCC" TP_1mm 49.775,77.169 r90 bottom value="Testpoint 1mm"
TP8 "VCC" TP_1mm 46.273,77.169 r90 bottom value="Testpoint 1mm"
TP9 "VCC" TP_1mm 46.273,75.669 r90 bottom value="Testpoint 1mm"
TP10 "VCC" TP_1mm 49.775,75.669 r90 bottom value="Testpoint 1mm"
TP11 "VCC" TP_1mm 46.273,74.169 r90 bottom value="Testpoint 1mm"
TP12 "VCC" TP_1mm 49.775,74.169 r90 bottom value="Testpoint 1mm"
TP13 "VCC" TP_1mm 44.45,92.675 r90 bottom value="Testpoint 1mm"
TP14 "VIN" TP_1mm 70.425,35.475 r90 bottom value="Testpoint 1mm"
TP15 "VCC" TP_1mm 36.834,85.025 r90 bottom value="Testpoint 1mm"
TP16 "VCC" TP_1mm 75.341,63.375 r90 bottom value="Testpoint 1mm"
TP17 "OVCC" TP_1mm 84.992,58.95 r90 bottom value="Testpoint 1mm"
TP18 "VREF" TP_1mm 77.625,92.552 r90 bottom value="Testpoint 1mm"
TP19 "VCC" TP_1mm 69.716,66.964 r90 bottom value="Testpoint 1mm"
TP21 "VCC" TP_1mm 49.335,70.567 r90 bottom value="Testpoint 1mm"
TP22 "VCC" TP_1mm 49.335,68.875 r90 bottom value="Testpoint 1mm"
U1 "AD8662ARZ" SOIC8_N 57.76,84.12 r90 top
U2A "TXB0108PWR" PW0020A_L 28.623,9.562 r0 top (schematic designator U2)
U2B "TXB0108PWR" PW0020A_L 28.623,21.937 r0 top (schematic designator U2)
U3 "LT1639HS#PBF" SOIC-14 86.45,87.351 r270 top
U4A "ISO7230" SOIC-16_wide-body 37.297,63.125 r180 top (schematic designator U4)
U4B "ISO7230" SOIC-16_wide-body 37.297,43.67 r180 top (schematic designator U4)
U5A "AM26LS32A" M16A_N 117.855,87.397 r270 top (schematic designator U5)
U5B "AM26LS32A" M16A_N 118,73.87 r270 top (schematic designator U5)
U6A "LTC2311" LTC2311-16 92.741,59.054 r180 top (schematic designator U6)
U6B "LTC2311" LTC2311-16 92.741,49.648 r180 top (schematic designator U6)
U6C "LTC2311" LTC2311-16 92.741,40.462 r180 top (schematic designator U6)
U6D "LTC2311" LTC2311-16 92.741,31.276 r180 top (schematic designator U6)
U7 "LM5007" TSOP65P490X110-8N 69.1,44.42 r270 top
U8 "TLV741P" SOT95P250X110-5N 81.667,46.287 r0 top
U9 "LT6654" SOT95P280X100-6N 77.965,86.576 r0 top
U10A "TMH 0505S" SIL-6(7) 34.13,56.175 r0 top (schematic designator U10)
U10B "TMH 0505S" SIL-6(7) 34.13,36.485 r0 top (schematic designator U10)
U11 "TXB0108PWR" PW0020A_L 81.45,32.759 r0 top
U12 "SN74LV1T08DBVR" FP-DBV0005A-IPC_B 51.675,60.041 r0 top
U13 "L78M12ABDT-TR" TO-252_M 63.311,67.136 r90 top
U15 "AD2S1210" LQFP-48_L 41.8,76.35 r270 top
U16 "LTC3265EFE#PBF" FP-FE-20-05-08-1663-MFG 93.307,70.984 r0 top
U18A "PCA9554ADGVR" DGV0016A_L 27.825,64.725 r90 top (schematic designator U18)
U18B "PCA9554ADGVR" DGV0016A_L 27.825,44.49 r90 top (schematic designator U18)
U18C "PCA9554ADGVR" DGV0016A_L 16.766,49.326 r180 top (schematic designator U18)
U22A "SN75HVD08DR" SOIC8_N 55.424,15.562 r180 top (schematic designator U22)
U22B "SN75HVD08DR" SOIC8_N 55.424,28.962 r180 top (schematic designator U22)
U23A "SN75HVD08DR" SOIC8_N 55.424,8.862 r180 top (schematic designator U23)
U23B "SN75HVD08DR" SOIC8_N 55.424,22.262 r180 top (schematic designator U23)
X1A "IPL1-104-01-L-D-RA-K" "Conector 4x2 TH Horizontal" 132.305,10.842 r270 top (schematic designator X1)
X1B "IPL1-104-01-L-D-RA-K" "Conector 4x2 TH Horizontal" 132.305,22.81 r270 top (schematic designator X1)
X2 "IPL1-102-01-L-D-RA-K" "Conector 2x2 TH Horizontal" 144.814,32.37 r270 top
X3A "IPL1-104-01-L-D-RA-K" "Conector 4x2 TH Horizontal" 132.305,79.79 r270 top (schematic designator X3)
X3B "IPL1-104-01-L-D-RA-K" "Conector 4x2 TH Horizontal" 132.305,67.855 r270 top (schematic designator X3)
X5 "IPL1-103-01-L-D-RA-K" "Conector 3x2 TH Horizontal" 144.814,90.428 r270 top
X6 "Header 6X2" HDR2X6 2.665,4.75 r0 top
X7 "IPL1-102-01-S-S-RA-K" "Conector 1x2 TH Horizontal" 135.19,37.15 r90 bottom
X8 "Header 8X2" HDR2X8 6,71.865 r270 top
X9 "Header 8X2" HDR2X8 6,45.15 r270 top
X16 "HSEC8-150-01-XX-DV-A-BL-CARD" HSEC8-150-01-XX-DV-A-BL-CARD -14.553,49.991 r270 bottom locked
X17 "615008140621" 615008140621 136.939,51.9 r90 top
XT1 "ECS-80-18-30B-AGN-TR" CRYSTALOSC 43.685,86.5 r180 top

## Footprints (in the part's own frame and the unit in brackets; to place one, negate y for a bottom-side part, rotate by r counter-clockwise, add the part's x,y. Pads: shape width x height; smd on the part's side, far side on the other; paste and mask are expansions set on the pad)
206-123 [mil]
  round 60 hole 27.56: 1(-250,150) 2(-150,150) 3(-50,150) 4(50,150) 5(150,150) 6(250,150) 7(-250,-150) 8(-150,-150) 9(-50,-150) 10(50,-150) 11(150,-150) 12(250,-150)
  body extent -342,-188 344,192, height 334
0603_Config [mm] "0603 3-Pin Config Footprint"
  rect 0.85x0.85 smd: 1(-1.475,0) 2(-0.025,0) 3(1.425,0)
  silkscreen extent -0.91,-0.43 0.86,0.43, body extent -1.55,-0.4 0.05,0.4, height 0.3
1812_PTC_Polyfuse_Littelfuse [mm] "Chip Fuse, 2-Leads, Body 4.6x3.24mm"
  rect 1.68x3.14 smd: 1(-2.39,0) 2(2.39,0)
  silkscreen extent -1.15,-1.62 1.15,1.62, body extent -2.3,-1.62 2.3,1.62, height 1.15
615008140621 [mm] "Modular Jack Horizontal Shielded with EMI Panel Finger 8P8C Tab Up"
  rect 1.3x1.3 hole 0.8: 1(3.57,0.125)
  round 1.3 hole 0.8: 2(2.55,1.905) 3(1.53,0.125) 4(0.51,1.905) 5(-0.51,0.125) 6(-1.53,1.905) 7(-2.55,0.125) 8(-3.57,1.905)
  round 3.25 hole 3.25 unplated: MH1(-6.35,-2.415) MH2(6.35,-2.415)
  round 2.4 hole 1.6: S1(-8.125,1.015) S2(8.125,1.015)
  silkscreen extent -9.64,-7.88 9.64,7.87, body extent -9.75,-7.88 9.75,7.97, height 14.82
C_1206 [mm]
  rect 1.21x1.82 smd: 1(1.45,0) 2(-1.45,0)
  silkscreen extent -0.5,-0.9 0.5,0.9, body extent -1.6,-0.81 1.6,0.81, height 1.82
CAPC1608X07N [mm] "Chip Capacitor, 2-Leads, Body 1,60x0,80mm, IPC Medium Density"
  rect 0.7x1 smd: 1(-0.775,0) 2(0.775,0)
  silkscreen extent -0.13,-0.51 0.13,0.51, body extent -0.88,-0.48 0.88,0.47, height 0.7
"Conector 1x2 TH Horizontal" [mm] "Pitch 2.54mm P/N: IPL1-102-01-S-S-RA-K"
  round 1.8 hole 0.9: 1(0,0) 2(2.54,0)
  silkscreen extent -2.04,-0.34 4.56,9.62, body extent -2.04,-0.34 4.56,9.62, height 7.06
"Conector 2x2 TH Horizontal" [mm] "Pitch 2.54mm P/N: IPL1-102-01-L-D-RA-K"
  round 1.8 hole 0.9: 1(-1.27,-9.628) 2(-1.27,-12.168) 3(1.27,-9.628) 4(1.27,-12.168)
  silkscreen extent -3.3,-12.51 3.3,0, body extent -3.3,-12.51 3.3,0, height 8.19
"Conector 3x2 TH Horizontal" [mm] "Pitch 2.54mm P/N: IPL1-103-01-L-D-RA-K"
  round 1.8 hole 0.9: 1(-2.54,-9.628) 2(-2.54,-12.168) 3(0,-9.628) 4(0,-12.168) 5(2.54,-9.628) 6(2.54,-12.168)
  silkscreen extent -4.57,-12.51 4.57,0, body extent -4.57,-12.51 4.57,0, height 8.19
"Conector 4x2 TH Horizontal" [mm] "Pitch 2.54mm P/N: IPL1-104-01-L-D-RA-K"
  round 1.8 hole 0.9: 1(-3.86,2.881) 2(-3.86,0.341) 3(-1.32,2.881) 4(-1.32,0.341) 5(1.22,2.881) 6(1.22,0.341) 7(3.76,2.881) 8(3.76,0.341)
  silkscreen extent -5.84,0 5.84,12.51, body extent -5.84,0 5.84,12.51, height 8.19
CRYSTALOSC [mm]
  rect 1.8x2 smd: 1(-0.12,-4.5) 2(4.96,-4.5) 3(4.96,-0.32) 4(-0.12,-0.3)
  silkscreen extent -1.29,-5.72 6.13,0.89, body extent -1.04,-4.86 5.96,0.14, height 1.7
DGV0016A_L [mm] "SOP, 16-Leads, Body 4.5x3.7mm, Pitch 0.4mm, IPC High Density"
  rrect50% 1.2x0.2 smd: 1(-2.85,1.4) 2(-2.85,1) 3(-2.85,0.6) 4(-2.85,0.2) 5(-2.85,-0.2) 6(-2.85,-0.6) 7(-2.85,-1) 8(-2.85,-1.4) 9(2.85,-1.4) 10(2.85,-1) 11(2.85,-0.6) 12(2.85,-0.2) 13(2.85,0.2) 14(2.85,0.6) 15(2.85,1) 16(2.85,1.4)
  silkscreen extent -2.97,-1.85 1.85,2.17, body extent -2.25,-1.85 2.25,1.85, height 1.2
DIOM4227X23N [mm] "Molded Diode, 2-Leads, Body 4,25x2,67mm, IPC Medium Density"
  rect 1.92x1.68 smd: 1(-1.854,0.023) 2(1.906,0.023)
  silkscreen extent -3,-1.38 2.28,1.54, body extent -2.44,-1.37 2.5,1.42, height 2.29
FP-DBV0005A-IPC_B [mm]
  rect 1.505x0.572 smd paste+0 mask+0: 1(-1.1,0.95)
  rrect100% 1.505x0.572 smd paste+0 mask+0: 2(-1.1,0) 3(-1.1,-0.95) 4(1.1,-0.95) 5(1.1,0.95)
  silkscreen extent -2.65,-1.7 1.4,1.7, body extent -2.1,-1.7 2.1,1.7, height 0.25
FP-FE-20-05-08-1663-MFG [mm]
  rect 1.05x0.45 smd paste+0 mask+0: 1(-2.775,2.925) 2(-2.775,2.275) 3(-2.775,1.625) 4(-2.775,0.975) 5(-2.775,0.325) 6(-2.775,-0.325) 7(-2.775,-0.975) 8(-2.775,-1.625) 9(-2.775,-2.275) 10(-2.775,-2.925) 11(2.775,-2.925) 12(2.775,-2.275) 13(2.775,-1.625) 14(2.775,-0.975) 15(2.775,-0.325) 16(2.775,0.325) 17(2.775,0.975) 18(2.775,1.625) 19(2.775,2.275) 20(2.775,2.925)
  round 2.466 smd paste+0 mask+0: 21(0,0)
  Top Layer region: -0.99,-3.035 0.99,-3.035 0.99,-2.475 1.37,-2.475 1.37,2.475 0.99,2.475 0.99,3.035 -0.99,3.035 -0.99,2.475 -1.37,2.475 -1.37,-2.475 -0.99,-2.475 -0.99,-3.035
  silkscreen extent -4.05,-3.3 1.88,3.3, body extent -3.4,-3.55 3.4,3.55, height 0.25
FP-LTC6373IDFM#PBF-MFG [mm]
  rect 0.7x0.25 smd paste+0 mask+0: 1(-1.9,1.25) 2(-1.9,0.75) 3(-1.9,0.25) 4(-1.9,-0.25) 5(-1.9,-0.75) 6(-1.9,-1.25) 7(1.9,-1.25) 8(1.9,-0.75) 9(1.9,-0.25) 10(1.9,0.25) 11(1.9,0.75) 12(1.9,1.25)
  rect 2.65x3.38 smd paste+0 mask+0: 13(0,0)
  silkscreen extent -2.92,-2.05 2.05,2.05, body extent -2.35,-2.15 2.35,2.15, height 0.25
HDR2X6 [mm] "Connector; Header; 6x2 Position"
  rect 1.5x1.5 hole 0.9: 1(0,0)
  round 1.5 hole 0.9: 2(0,2.54) 3(2.54,0) 4(2.54,2.54) 5(5.08,0) 6(5.08,2.54) 7(7.62,0) 8(7.62,2.54) 9(10.16,0) 10(10.16,2.54) 11(12.7,0) 12(12.7,2.54)
  silkscreen extent -1.27,-1.27 13.97,3.81
HDR2X8 [mm] "Connector; Header; 8x2 Position"
  rect 1.5x1.5 hole 0.9: 1(0,0)
  round 1.5 hole 0.9: 2(0,2.54) 3(2.54,0) 4(2.54,2.54) 5(5.08,0) 6(5.08,2.54) 7(7.62,0) 8(7.62,2.54) 9(10.16,0) 10(10.16,2.54) 11(12.7,0) 12(12.7,2.54) 13(15.24,0) 14(15.24,2.54) 15(17.78,0) 16(17.78,2.54)
  silkscreen extent -1.27,-1.27 19.05,3.81